# Altium PCB Sayma_AMC_RFSoC.PcbDoc (part 4 of 11) (continued)
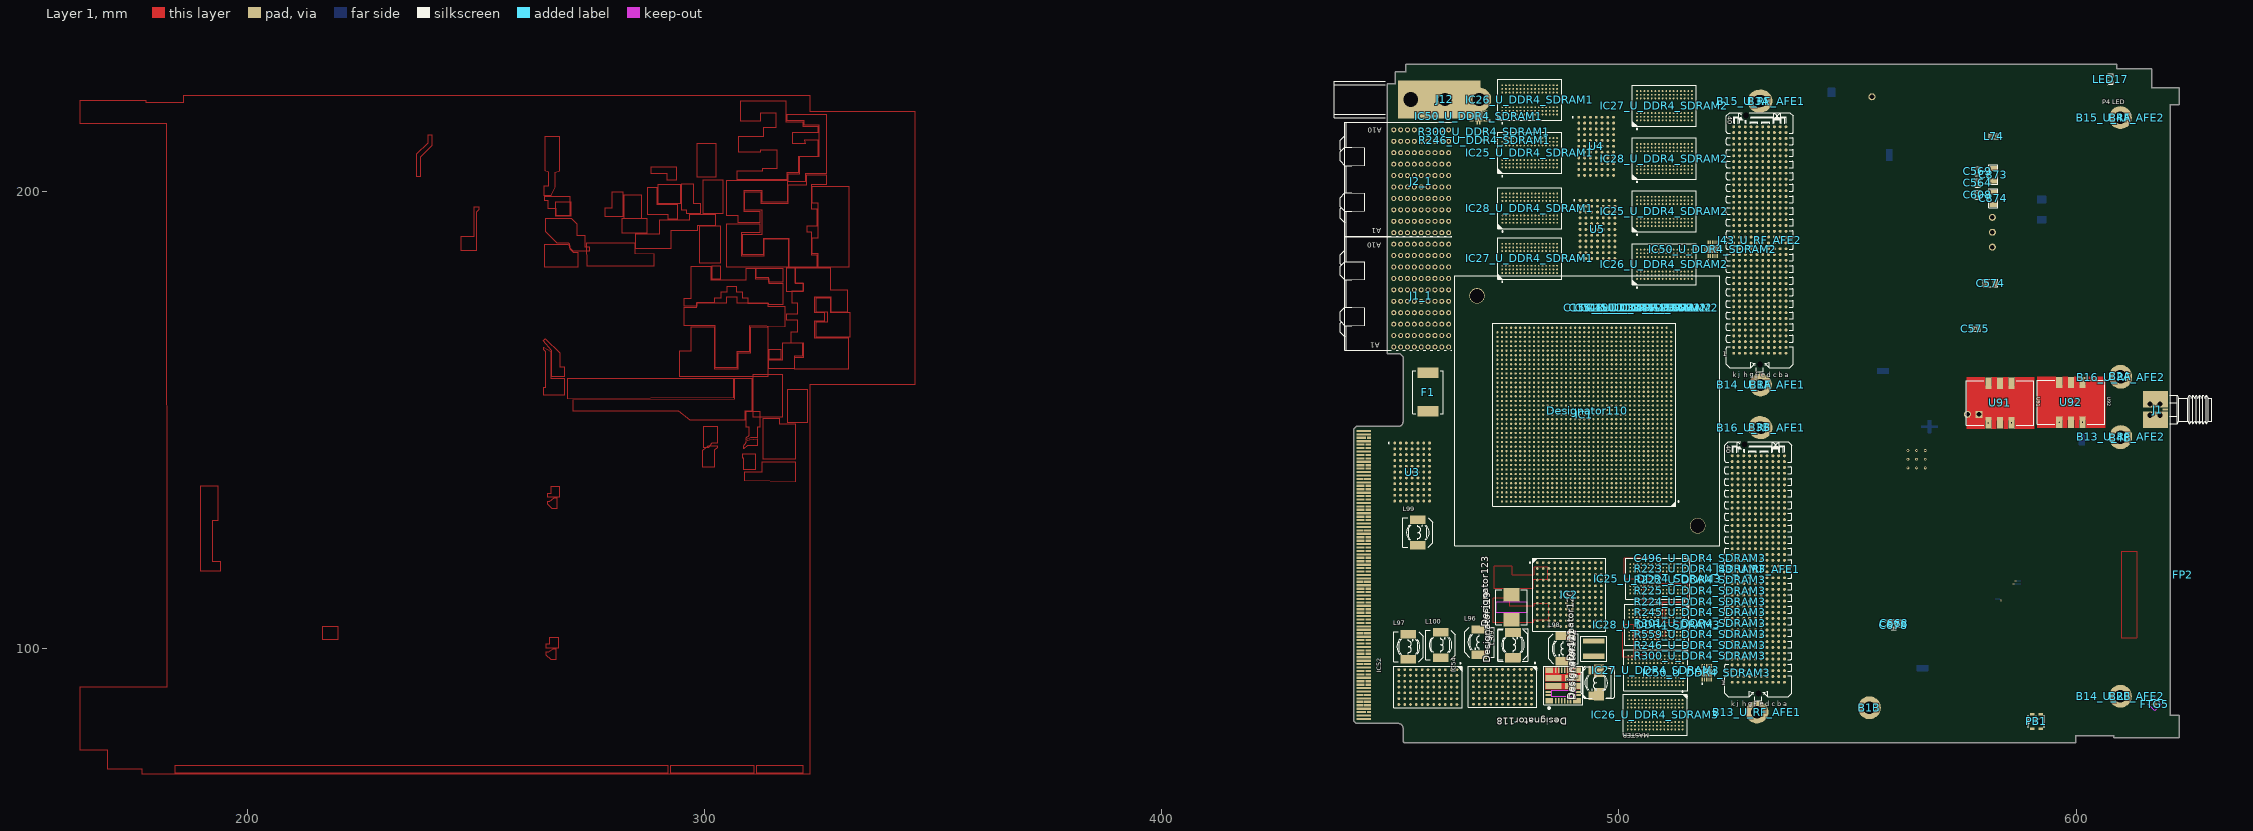
[diagram p0: Layer 1 view]
## Nets (pads, with @x,y where several pads share a name; then routed paths per layer and width w, separated by ;. In a path a pad name is that pad's centre, name@x,y a point inside that pad or via, vN(x,y) a via of type N, cw(c..) or ccw(c..) an arc to the next point about the centre after c; other vN are vias at no path point) (continued)
DDR4_A4: IC1.AW31 IC25_U_DDR4_SDRAM1.N3 IC26_U_DDR4_SDRAM1.N3 IC27_U_DDR4_SDRAM1.N3 IC28_U_DDR4_SDRAM1.N3 R226_U_DDR4_SDRAM1.2
DDR4_A5: IC1.AU28 IC25_U_DDR4_SDRAM1.P8 IC26_U_DDR4_SDRAM1.P8 IC27_U_DDR4_SDRAM1.P8 IC28_U_DDR4_SDRAM1.P8 R227_U_DDR4_SDRAM1.2
DDR4_A6: IC1.AL29 IC25_U_DDR4_SDRAM1.P2 IC26_U_DDR4_SDRAM1.P2 IC27_U_DDR4_SDRAM1.P2 IC28_U_DDR4_SDRAM1.P2 R228_U_DDR4_SDRAM1.2
DDR4_A7: IC1.AM30 IC25_U_DDR4_SDRAM1.R8 IC26_U_DDR4_SDRAM1.R8 IC27_U_DDR4_SDRAM1.R8 IC28_U_DDR4_SDRAM1.R8 R229_U_DDR4_SDRAM1.2
DDR4_A8: IC1.AM29 IC25_U_DDR4_SDRAM1.R2 IC26_U_DDR4_SDRAM1.R2 IC27_U_DDR4_SDRAM1.R2 IC28_U_DDR4_SDRAM1.R2 R230_U_DDR4_SDRAM1.2
DDR4_A9: IC1.AP29 IC25_U_DDR4_SDRAM1.R7 IC26_U_DDR4_SDRAM1.R7 IC27_U_DDR4_SDRAM1.R7 IC28_U_DDR4_SDRAM1.R7 R231_U_DDR4_SDRAM1.2
DDR4_A10: IC1.AT31 IC25_U_DDR4_SDRAM1.M3 IC26_U_DDR4_SDRAM1.M3 IC27_U_DDR4_SDRAM1.M3 IC28_U_DDR4_SDRAM1.M3 R232_U_DDR4_SDRAM1.2
DDR4_A11: IC1.AT32 IC25_U_DDR4_SDRAM1.T2 IC26_U_DDR4_SDRAM1.T2 IC27_U_DDR4_SDRAM1.T2 IC28_U_DDR4_SDRAM1.T2 R233_U_DDR4_SDRAM1.2
DDR4_A12: IC1.AT30 IC25_U_DDR4_SDRAM1.M7 IC26_U_DDR4_SDRAM1.M7 IC27_U_DDR4_SDRAM1.M7 IC28_U_DDR4_SDRAM1.M7 R234_U_DDR4_SDRAM1.2
DDR4_A13: IC1.L17
DDR4_A13_U_DDR4_SDRAM1: IC25_U_DDR4_SDRAM1.T8 IC26_U_DDR4_SDRAM1.T8 IC27_U_DDR4_SDRAM1.T8 IC28_U_DDR4_SDRAM1.T8 R235_U_DDR4_SDRAM1.2
DDR4_A13_U_DDR4_SDRAM2: IC25_U_DDR4_SDRAM2.T8 IC26_U_DDR4_SDRAM2.T8 IC27_U_DDR4_SDRAM2.T8 IC28_U_DDR4_SDRAM2.T8 R235_U_DDR4_SDRAM2.2
DDR4_A13_U_DDR4_SDRAM3: IC25_U_DDR4_SDRAM3.T8 IC26_U_DDR4_SDRAM3.T8 IC27_U_DDR4_SDRAM3.T8 IC28_U_DDR4_SDRAM3.T8 R235_U_DDR4_SDRAM3.2
DDR4_A14_WE_B: IC1.B17 IC25_U_DDR4_SDRAM3.L2 IC26_U_DDR4_SDRAM3.L2 IC27_U_DDR4_SDRAM3.L2 IC28_U_DDR4_SDRAM3.L2 R236_U_DDR4_SDRAM3.2
DDR4_A15_CAS_B: IC1.D15 IC25_U_DDR4_SDRAM3.M8 IC26_U_DDR4_SDRAM3.M8 IC27_U_DDR4_SDRAM3.M8 IC28_U_DDR4_SDRAM3.M8 R237_U_DDR4_SDRAM3.2
DDR4_A16_RAS_B: IC1.C18 IC25_U_DDR4_SDRAM3.L8 IC26_U_DDR4_SDRAM3.L8 IC27_U_DDR4_SDRAM3.L8 IC28_U_DDR4_SDRAM3.L8 R238_U_DDR4_SDRAM3.2
DDR4_ACT_B: IC1.A19 IC25_U_DDR4_SDRAM3.L3 IC26_U_DDR4_SDRAM3.L3 IC27_U_DDR4_SDRAM3.L3 IC28_U_DDR4_SDRAM3.L3 R243_U_DDR4_SDRAM3.2
DDR4_ALERT_B: IC1.B18 IC25_U_DDR4_SDRAM3.P9 IC26_U_DDR4_SDRAM3.P9 IC27_U_DDR4_SDRAM3.P9 IC28_U_DDR4_SDRAM3.P9
DDR4_BA0: IC1.K18 IC25_U_DDR4_SDRAM3.N2 IC26_U_DDR4_SDRAM3.N2 IC27_U_DDR4_SDRAM3.N2 IC28_U_DDR4_SDRAM3.N2 R239_U_DDR4_SDRAM3.2
DDR4_BA1: IC1.K19 IC25_U_DDR4_SDRAM3.N8 IC26_U_DDR4_SDRAM3.N8 IC27_U_DDR4_SDRAM3.N8 IC28_U_DDR4_SDRAM3.N8 R240_U_DDR4_SDRAM3.2
DDR4_BG0: IC1.C16 IC25_U_DDR4_SDRAM3.M2 IC26_U_DDR4_SDRAM3.M2 IC27_U_DDR4_SDRAM3.M2 IC28_U_DDR4_SDRAM3.M2 R241_U_DDR4_SDRAM3.2
DDR4_CK_C: IC1.F17 IC25_U_DDR4_SDRAM3.K8 IC26_U_DDR4_SDRAM3.K8 IC27_U_DDR4_SDRAM3.K8 IC28_U_DDR4_SDRAM3.K8
DDR4_CK_T: IC1.G17 IC25_U_DDR4_SDRAM3.K7 IC26_U_DDR4_SDRAM3.K7 IC27_U_DDR4_SDRAM3.K7 IC28_U_DDR4_SDRAM3.K7
DDR4_CKE: IC1.A16 IC25_U_DDR4_SDRAM3.K2 IC26_U_DDR4_SDRAM3.K2 IC27_U_DDR4_SDRAM3.K2 IC28_U_DDR4_SDRAM3.K2 R242_U_DDR4_SDRAM3.2
DDR4_CS_B: IC1.D16 IC25_U_DDR4_SDRAM3.L7 IC26_U_DDR4_SDRAM3.L7 IC27_U_DDR4_SDRAM3.L7 IC28_U_DDR4_SDRAM3.L7 R244_U_DDR4_SDRAM3.2
DDR4_DM0: IC1.AP8 IC25_U_DDR4_SDRAM2.E7
DDR4_DM1: IC1.AK13 IC25_U_DDR4_SDRAM2.E2
DDR4_DM2: IC1.AM12 IC26_U_DDR4_SDRAM2.E7
DDR4_DM3: IC1.AV10 IC26_U_DDR4_SDRAM2.E2
DDR4_DM4: IC1.AJ18 IC27_U_DDR4_SDRAM2.E7
DDR4_DM5: IC1.AM20 IC27_U_DDR4_SDRAM2.E2
DDR4_DM6: IC1.AR17 IC28_U_DDR4_SDRAM2.E7
DDR4_DM7: IC1.AW19 IC28_U_DDR4_SDRAM2.E2
DDR4_DM8: IC1.AR38
DDR4_DQ0: IC1.AW25 IC25_U_DDR4_SDRAM1.G2
DDR4_DQ1: IC1.AW24 IC25_U_DDR4_SDRAM1.F7
DDR4_DQ2: IC1.AV25 IC25_U_DDR4_SDRAM1.H3
DDR4_DQ3: IC1.AW23 IC25_U_DDR4_SDRAM1.H7
DDR4_DQ4: IC1.AV23 IC25_U_DDR4_SDRAM1.H2
DDR4_DQ5: IC1.AV22 IC25_U_DDR4_SDRAM1.H8
DDR4_DQ6: IC1.AR24 IC25_U_DDR4_SDRAM1.J3
DDR4_DQ7: IC1.AR23 IC25_U_DDR4_SDRAM1.J7
DDR4_DQ8: IC1.AT25 IC25_U_DDR4_SDRAM1.A3
DDR4_DQ9: IC1.AP26 IC25_U_DDR4_SDRAM1.B8
DDR4_DQ10: IC1.AU25 IC25_U_DDR4_SDRAM1.C3
DDR4_DQ11: IC1.AR27 IC25_U_DDR4_SDRAM1.C7
DDR4_DQ12: IC1.AU27 IC25_U_DDR4_SDRAM1.C2
DDR4_DQ13: IC1.AV26 IC25_U_DDR4_SDRAM1.C8
DDR4_DQ14: IC1.AV27 IC25_U_DDR4_SDRAM1.D3
DDR4_DQ15: IC1.AW26 IC25_U_DDR4_SDRAM1.D7
DDR4_DQ16: IC1.AP25 IC26_U_DDR4_SDRAM1.G2
DDR4_DQ17: IC1.AP24 IC26_U_DDR4_SDRAM1.F7
DDR4_DQ18: IC1.AP23 IC26_U_DDR4_SDRAM1.H3
DDR4_DQ19: IC1.AN25 IC26_U_DDR4_SDRAM1.H7
DDR4_DQ20: IC1.AM25 IC26_U_DDR4_SDRAM1.H2
DDR4_DQ21: IC1.AK24 IC26_U_DDR4_SDRAM1.H8
DDR4_DQ22: IC1.AN23 IC26_U_DDR4_SDRAM1.J3
DDR4_DQ23: IC1.AK23 IC26_U_DDR4_SDRAM1.J7
DDR4_DQ24: IC1.AK26 IC26_U_DDR4_SDRAM1.A3
DDR4_DQ25: IC1.AL25 IC26_U_DDR4_SDRAM1.B8
DDR4_DQ26: IC1.AK28 IC26_U_DDR4_SDRAM1.C3
DDR4_DQ27: IC1.AK27 IC26_U_DDR4_SDRAM1.C7
DDR4_DQ28: IC1.AN27 IC26_U_DDR4_SDRAM1.C2
DDR4_DQ29: IC1.AN26 IC26_U_DDR4_SDRAM1.C8
DDR4_DQ30: IC1.AN28 IC26_U_DDR4_SDRAM1.D3
DDR4_DQ31: IC1.AM28 IC26_U_DDR4_SDRAM1.D7
DDR4_DQ32: IC1.AU39 IC27_U_DDR4_SDRAM1.G2
DDR4_DQ33: IC1.AU38 IC27_U_DDR4_SDRAM1.F7
DDR4_DQ34: IC1.AU37 IC27_U_DDR4_SDRAM1.H3
DDR4_DQ35: IC1.AU35 IC27_U_DDR4_SDRAM1.H7
DDR4_DQ36: IC1.AV38 IC27_U_DDR4_SDRAM1.H2
DDR4_DQ37: IC1.AW36 IC27_U_DDR4_SDRAM1.H8
DDR4_DQ38: IC1.AV35 IC27_U_DDR4_SDRAM1.J3
DDR4_DQ39: IC1.AW35 IC27_U_DDR4_SDRAM1.J7
DDR4_DQ40: IC1.AU33 IC27_U_DDR4_SDRAM1.A3
DDR4_DQ41: IC1.AV33 IC27_U_DDR4_SDRAM1.B8
DDR4_DQ42: IC1.AW34 IC27_U_DDR4_SDRAM1.C3
DDR4_DQ43: IC1.AW33 IC27_U_DDR4_SDRAM1.C7
DDR4_DQ44: IC1.AR34 IC27_U_DDR4_SDRAM1.C2
DDR4_DQ45: IC1.AR33 IC27_U_DDR4_SDRAM1.C8
DDR4_DQ46: IC1.AP33 IC27_U_DDR4_SDRAM1.D3
DDR4_DQ47: IC1.AP34 IC27_U_DDR4_SDRAM1.D7
DDR4_DQ48: IC1.AL39 IC28_U_DDR4_SDRAM1.G2
DDR4_DQ49: IC1.AM38 IC28_U_DDR4_SDRAM1.F7
DDR4_DQ50: IC1.AM39 IC28_U_DDR4_SDRAM1.H3
DDR4_DQ51: IC1.AN38 IC28_U_DDR4_SDRAM1.H7
DDR4_DQ52: IC1.AM35 IC28_U_DDR4_SDRAM1.H2
DDR4_DQ53: IC1.AM34 IC28_U_DDR4_SDRAM1.H8
DDR4_DQ54: IC1.AN36 IC28_U_DDR4_SDRAM1.J3
DDR4_DQ55: IC1.AN35 IC28_U_DDR4_SDRAM1.J7
DDR4_DQ56: IC1.AK32 IC28_U_DDR4_SDRAM1.A3
DDR4_DQ57: IC1.AK31 IC28_U_DDR4_SDRAM1.B8
DDR4_DQ58: IC1.AJ31 IC28_U_DDR4_SDRAM1.C3
DDR4_DQ59: IC1.AJ30 IC28_U_DDR4_SDRAM1.C7
DDR4_DQ60: IC1.AH30 IC28_U_DDR4_SDRAM1.C2
DDR4_DQ61: IC1.AG32 IC28_U_DDR4_SDRAM1.C8
DDR4_DQ62: IC1.AF32 IC28_U_DDR4_SDRAM1.D3
DDR4_DQ63: IC1.AG30 IC28_U_DDR4_SDRAM1.D7
DDR4_DQS0_C: IC1.E12 IC25_U_DDR4_SDRAM3.F3
DDR4_DQS0_T: IC1.E13 IC25_U_DDR4_SDRAM3.G3
DDR4_DQS1_C: IC1.B15 IC25_U_DDR4_SDRAM3.A7
DDR4_DQS1_T: IC1.C15 IC25_U_DDR4_SDRAM3.B7
DDR4_DQS2_C: IC1.J13 IC26_U_DDR4_SDRAM3.F3
DDR4_DQS2_T: IC1.J14 IC26_U_DDR4_SDRAM3.G3
DDR4_DQS3_C: IC1.G8 IC26_U_DDR4_SDRAM3.A7
DDR4_DQS3_T: IC1.H8 IC26_U_DDR4_SDRAM3.B7
DDR4_DQS4_C: IC1.A22 IC27_U_DDR4_SDRAM3.F3
DDR4_DQS4_T: IC1.B22 IC27_U_DDR4_SDRAM3.G3
DDR4_DQS5_C: IC1.D24 IC27_U_DDR4_SDRAM3.A7
DDR4_DQS5_T: IC1.D23 IC27_U_DDR4_SDRAM3.B7
DDR4_DQS6_C: IC1.H20 IC28_U_DDR4_SDRAM3.F3
DDR4_DQS6_T: IC1.J20 IC28_U_DDR4_SDRAM3.G3
DDR4_DQS7_C: IC1.K22 IC28_U_DDR4_SDRAM3.A7
DDR4_DQS7_T: IC1.K21 IC28_U_DDR4_SDRAM3.B7
DDR4_DQS8_C: IC1.AR37
DDR4_DQS8_T: IC1.AT37
DDR4_ODT: IC1.B19 IC25_U_DDR4_SDRAM3.K3 IC26_U_DDR4_SDRAM3.K3 IC27_U_DDR4_SDRAM3.K3 IC28_U_DDR4_SDRAM3.K3 R245_U_DDR4_SDRAM3.2
DDR4_PAR: IC1.D19 IC25_U_DDR4_SDRAM3.T3 IC26_U_DDR4_SDRAM3.T3 IC27_U_DDR4_SDRAM3.T3 IC28_U_DDR4_SDRAM3.T3 R246_U_DDR4_SDRAM3.2
DDR4_RESET_B: IC1.A17 IC25_U_DDR4_SDRAM3.P1 IC26_U_DDR4_SDRAM3.P1 IC27_U_DDR4_SDRAM3.P1 IC28_U_DDR4_SDRAM3.P1
DDR4_TEN: 
DDR4_TEN_U_DDR4_SDRAM1: IC25_U_DDR4_SDRAM1.N9 IC26_U_DDR4_SDRAM1.N9 IC27_U_DDR4_SDRAM1.N9 IC28_U_DDR4_SDRAM1.N9
DDR4_TEN_U_DDR4_SDRAM2: IC25_U_DDR4_SDRAM2.N9 IC26_U_DDR4_SDRAM2.N9 IC27_U_DDR4_SDRAM2.N9 IC28_U_DDR4_SDRAM2.N9
DDR4_TEN_U_DDR4_SDRAM3: IC25_U_DDR4_SDRAM3.N9 IC26_U_DDR4_SDRAM3.N9 IC27_U_DDR4_SDRAM3.N9 IC28_U_DDR4_SDRAM3.N9
DDR4_VREFA_U_DDR4_SDRAM1: C158_U_DDR4_SDRAM1.1 IC25_U_DDR4_SDRAM1.M1
DDR4_VREFA_U_DDR4_SDRAM2: C158_U_DDR4_SDRAM2.1 IC25_U_DDR4_SDRAM2.M1
DDR4_VREFA_U_DDR4_SDRAM3: C158_U_DDR4_SDRAM3.1 IC25_U_DDR4_SDRAM3.M1
DDR4_VREFB_U_DDR4_SDRAM1: C157_U_DDR4_SDRAM1.1 IC26_U_DDR4_SDRAM1.M1
DDR4_VREFB_U_DDR4_SDRAM2: C157_U_DDR4_SDRAM2.1 IC26_U_DDR4_SDRAM2.M1
DDR4_VREFB_U_DDR4_SDRAM3: C157_U_DDR4_SDRAM3.1 IC26_U_DDR4_SDRAM3.M1
DDR4_VREFC_U_DDR4_SDRAM1: C159_U_DDR4_SDRAM1.1 IC27_U_DDR4_SDRAM1.M1
DDR4_VREFC_U_DDR4_SDRAM2: C159_U_DDR4_SDRAM2.1 IC27_U_DDR4_SDRAM2.M1
DDR4_VREFC_U_DDR4_SDRAM3: C159_U_DDR4_SDRAM3.1 IC27_U_DDR4_SDRAM3.M1
DDR4_VREFD_U_DDR4_SDRAM1: C160_U_DDR4_SDRAM1.1 IC28_U_DDR4_SDRAM1.M1
DDR4_VREFD_U_DDR4_SDRAM2: C160_U_DDR4_SDRAM2.1 IC28_U_DDR4_SDRAM2.M1
DDR4_VREFD_U_DDR4_SDRAM3: C160_U_DDR4_SDRAM3.1 IC28_U_DDR4_SDRAM3.M1
DDR4_ZQA_U_DDR4_SDRAM1: IC25_U_DDR4_SDRAM1.F9
DDR4_ZQA_U_DDR4_SDRAM2: IC25_U_DDR4_SDRAM2.F9
DDR4_ZQA_U_DDR4_SDRAM3: IC25_U_DDR4_SDRAM3.F9
DDR4_ZQB_U_DDR4_SDRAM1: IC26_U_DDR4_SDRAM1.F9
DDR4_ZQB_U_DDR4_SDRAM2: IC26_U_DDR4_SDRAM2.F9
DDR4_ZQB_U_DDR4_SDRAM3: IC26_U_DDR4_SDRAM3.F9
DDR4_ZQC_U_DDR4_SDRAM1: IC27_U_DDR4_SDRAM1.F9
DDR4_ZQC_U_DDR4_SDRAM2: IC27_U_DDR4_SDRAM2.F9
DDR4_ZQC_U_DDR4_SDRAM3: IC27_U_DDR4_SDRAM3.F9
DDR4_ZQD_U_DDR4_SDRAM1: IC28_U_DDR4_SDRAM1.F9
DDR4_ZQD_U_DDR4_SDRAM2: IC28_U_DDR4_SDRAM2.F9
DDR4_ZQD_U_DDR4_SDRAM3: IC28_U_DDR4_SDRAM3.F9
EN_FLASH_UPDATE: 
FMC1_GBTCLK0_M2C_N: 
FMC1_GBTCLK0_M2C_P: 
FMC1_GBTCLK1_M2C_N: 
FMC1_GBTCLK1_M2C_P: C666.1
FMC2_GBTCLK0_M2C_N: 
FMC2_GBTCLK0_M2C_P: 
FMC2_GBTCLK1_M2C_N: 
FMC2_GBTCLK1_M2C_P: 
FMC2_GBTCLKC0_M2C_N: 
FMC2_GBTCLKC0_M2C_P: 
FPGA_ADC_SYSREF_N: 
FPGA_ADC_SYSREF_P: 
FPGA_CFG_CCLK: 
FPGA_CFG_DIN: 
FPGA_CFG_DONE: 
FPGA_CFG_INIT_B: 
FPGA_CFG_PROGRAM_B: 
FPGA_CLK1_N: IC1.J18
FPGA_CLK1_P: IC1.J19
FPGA_CLK2_N: IC1.AM17
FPGA_CLK2_P: IC1.AL17
FPGA_DAC_SYSREF_N: 
FPGA_DAC_SYSREF_P: 
GTP0RX_N: IC1.E39
GTP0RX_P: IC1.E38
GTP0TX_N: IC1.D32
GTP0TX_P: IC1.D31
GTP1RX_N: IC1.D37
GTP1RX_P: IC1.D36
GTP1TX_N: IC1.C34
GTP1TX_P: IC1.C33
GTP2RX_N: IC1.C39
GTP2RX_P: IC1.C38
GTP2TX_N: IC1.B32
GTP2TX_P: IC1.B31
GTP3RX_N: IC1.B37
GTP3RX_P: IC1.B36
GTP3TX_N: IC1.A34
GTP3TX_P: IC1.A33
GTP4RX_N: IC1.F37
GTP4RX_P: IC1.F36
GTP4TX_N: IC1.E34
GTP4TX_P: IC1.E33
GTP5RX_N: IC1.G39
GTP5RX_P: IC1.G38
GTP5TX_N: IC1.F32
GTP5TX_P: IC1.F31
GTP6RX_N: IC1.H37
GTP6RX_P: IC1.H36
GTP6TX_N: IC1.G34
GTP6TX_P: IC1.G33
GTP7RX_N: IC1.J39
GTP7RX_P: IC1.J38
GTP7TX_N: IC1.H32
GTP7TX_P: IC1.H31
GTP8RX_N: IC1.N39
GTP8RX_P: IC1.N38
GTP8TX_N: IC1.P36
GTP8TX_P: IC1.P35
GTP9RX_N: IC1.M37
GTP9RX_P: IC1.M36
GTP9TX_N: IC1.N34
GTP9TX_P: IC1.N33
GTP10RX_N: IC1.L39
GTP10RX_P: IC1.L38
GTP10TX_N: IC1.L34
GTP10TX_P: IC1.L33
GTP11RX_N: IC1.K37
GTP11RX_P: IC1.K36
GTP11TX_N: IC1.J34
GTP11TX_P: IC1.J33
GTP12RX_N: IC1.R39
GTP12RX_P: IC1.R38
GTP12TX_N: IC1.R34
GTP12TX_P: IC1.R33
GTP13RX_N: IC1.U39
GTP13RX_P: IC1.U38
GTP13TX_N: IC1.T36
GTP13TX_P: IC1.T35
GTP14RX_N: IC1.W39
GTP14RX_P: IC1.W38
GTP14TX_N: IC1.V36
GTP14TX_P: IC1.V35
GTP15RX_N: IC1.AA39
GTP15RX_P: IC1.AA38
GTP15TX_N: IC1.Y36
GTP15TX_P: IC1.Y35
GTP_CLK1_IN_N: 
GTP_CLK1_IN_P: 
GTP_CLK2_IN_N: 
GTP_CLK2_IN_P: 
GTP_CLKC1_IN_N: 
GTP_CLKC1_IN_P: 
GTP_CLKC2_IN_N: 
GTP_CLKC2_IN_P: C666.2
GTX_CLK_156.25_N: C737.1
GTX_CLK_156.25_P: C738.1
GTX_CLK_156.25C_N: C737.2
GTX_CLK_156.25C_P: C738.2
I2C_SCL_U_RF_AFE1: J43_U_RF_AFE1.k35
I2C_SCL_U_RF_AFE2: J43_U_RF_AFE2.k35
I2C_SDA_U_RF_AFE1: J43_U_RF_AFE1.k34
I2C_SDA_U_RF_AFE2: J43_U_RF_AFE2.k34
INA226_PMBUS_ALERT: U71.3 U84.3 U85.3
INA226_PMBUS_SCL: U71.2 U71.5 U84.1 U84.5 U85.1 U85.5
INA226_PMBUS_SDA: U71.1 U71.4 U84.2 U84.4 U85.4
LMK00304_VDD: C824.1 C952.1 C984.1 L73.2 U98.2 U98.5 U98.9 U98.10 U98.20 U98.23 U98.28 U98.30
LMK00804_VDD: C822.1 C823.1 C986.1 L70.2 U106.2 U106.3 U106.4 U106.7 U106.11 U106.15
  other v2: 586.31,114.165
LMK04208_CPO1: R649.2 U90.34
LMK04208_CPO2: C772.1 C773.1 U90.42
LO_IN_U_RF_AFE1_N: J43_U_RF_AFE1.c25
LO_IN_U_RF_AFE1_P: J43_U_RF_AFE1.c26
LO_IN_U_RF_AFE2_N: J43_U_RF_AFE2.c25
LO_IN_U_RF_AFE2_P: J43_U_RF_AFE2.c26
LVDS0_U_RF_AFE1_N: J43_U_RF_AFE1.h35
LVDS0_U_RF_AFE1_P: J43_U_RF_AFE1.h34
LVDS0_U_RF_AFE2_N: J43_U_RF_AFE2.h35
LVDS0_U_RF_AFE2_P: J43_U_RF_AFE2.h34
LVDS1_U_RF_AFE1_N: J43_U_RF_AFE1.g35
LVDS1_U_RF_AFE1_P: J43_U_RF_AFE1.g34
LVDS1_U_RF_AFE2_N: J43_U_RF_AFE2.g35
LVDS1_U_RF_AFE2_P: J43_U_RF_AFE2.g34
LVDS2_U_RF_AFE1_N: J43_U_RF_AFE1.f35
LVDS2_U_RF_AFE1_P: J43_U_RF_AFE1.f34
LVDS2_U_RF_AFE2_N: J43_U_RF_AFE2.f35
LVDS2_U_RF_AFE2_P: J43_U_RF_AFE2.f34
LVDS3_U_RF_AFE1_N: J43_U_RF_AFE1.e35
LVDS3_U_RF_AFE1_P: J43_U_RF_AFE1.e34
LVDS3_U_RF_AFE2_N: J43_U_RF_AFE2.e35
LVDS3_U_RF_AFE2_P: J43_U_RF_AFE2.e34
LVDS4_U_RF_AFE1_N: J43_U_RF_AFE1.d35
LVDS4_U_RF_AFE1_P: J43_U_RF_AFE1.d34
LVDS4_U_RF_AFE2_N: J43_U_RF_AFE2.d35
LVDS4_U_RF_AFE2_P: J43_U_RF_AFE2.d34
LVDS5_U_RF_AFE1_N: J43_U_RF_AFE1.c35
LVDS5_U_RF_AFE1_P: J43_U_RF_AFE1.c34
LVDS5_U_RF_AFE2_N: J43_U_RF_AFE2.c35
LVDS5_U_RF_AFE2_P: J43_U_RF_AFE2.c34
LVDS6_U_RF_AFE1_N: J43_U_RF_AFE1.b34
LVDS6_U_RF_AFE1_P: J43_U_RF_AFE1.b33
LVDS6_U_RF_AFE2_N: J43_U_RF_AFE2.b34
LVDS6_U_RF_AFE2_P: J43_U_RF_AFE2.b33
LVDS7_U_RF_AFE1_N: J43_U_RF_AFE1.a34
LVDS7_U_RF_AFE1_P: J43_U_RF_AFE1.a33
LVDS7_U_RF_AFE2_N: J43_U_RF_AFE2.a34
LVDS7_U_RF_AFE2_P: J43_U_RF_AFE2.a33
MEZZ1_IO0_U_RF_AFE1: J43_U_RF_AFE1.a39
MEZZ1_IO0_U_RF_AFE2: J43_U_RF_AFE2.a39
MEZZ1_IO1_U_RF_AFE1: J43_U_RF_AFE1.b39
MEZZ1_IO1_U_RF_AFE2: J43_U_RF_AFE2.b39
MEZZ1_IO2_U_RF_AFE1: J43_U_RF_AFE1.c39
MEZZ1_IO2_U_RF_AFE2: J43_U_RF_AFE2.c39
MEZZ1_IO3_U_RF_AFE1: J43_U_RF_AFE1.d39
MEZZ1_IO3_U_RF_AFE2: J43_U_RF_AFE2.d39
MEZZ1_IO4_U_RF_AFE1: J43_U_RF_AFE1.e39
MEZZ1_IO4_U_RF_AFE2: J43_U_RF_AFE2.e39
MEZZ1_IO5_U_RF_AFE1: J43_U_RF_AFE1.f39
MEZZ1_IO5_U_RF_AFE2: J43_U_RF_AFE2.f39
MEZZ1_IO6_U_RF_AFE1: J43_U_RF_AFE1.g39
MEZZ1_IO6_U_RF_AFE2: J43_U_RF_AFE2.g39
MEZZ1_IO7_U_RF_AFE1: J43_U_RF_AFE1.h39
MEZZ1_IO7_U_RF_AFE2: J43_U_RF_AFE2.h39
MEZZ1_IO8_U_RF_AFE1: J43_U_RF_AFE1.j39
MEZZ1_IO8_U_RF_AFE2: J43_U_RF_AFE2.j39
MEZZ1_IO9_U_RF_AFE1: J43_U_RF_AFE1.k39
MEZZ1_IO9_U_RF_AFE2: J43_U_RF_AFE2.k39
MEZZ1_IO10_U_RF_AFE1: J43_U_RF_AFE1.a38
MEZZ1_IO10_U_RF_AFE2: J43_U_RF_AFE2.a38
MEZZ1_IO11_U_RF_AFE1: J43_U_RF_AFE1.b38
MEZZ1_IO11_U_RF_AFE2: J43_U_RF_AFE2.b38
MEZZ1_IO12_U_RF_AFE1: J43_U_RF_AFE1.c38
MEZZ1_IO12_U_RF_AFE2: J43_U_RF_AFE2.c38
MEZZ1_IO13_U_RF_AFE1: J43_U_RF_AFE1.d38
MEZZ1_IO13_U_RF_AFE2: J43_U_RF_AFE2.d38
MEZZ1_IO14_U_RF_AFE1: J43_U_RF_AFE1.e38
MEZZ1_IO14_U_RF_AFE2: J43_U_RF_AFE2.e38
MEZZ1_IO15_U_RF_AFE1: J43_U_RF_AFE1.f38
MEZZ1_IO15_U_RF_AFE2: J43_U_RF_AFE2.f38
MEZZ2_IO0_U_RF_AFE1: J43_U_RF_AFE1.g38
MEZZ2_IO0_U_RF_AFE2: J43_U_RF_AFE2.g38
MEZZ2_IO1_U_RF_AFE1: J43_U_RF_AFE1.h38
MEZZ2_IO1_U_RF_AFE2: J43_U_RF_AFE2.h38
MEZZ2_IO2_U_RF_AFE1: J43_U_RF_AFE1.j38
MEZZ2_IO2_U_RF_AFE2: J43_U_RF_AFE2.j38
MEZZ2_IO3_U_RF_AFE1: J43_U_RF_AFE1.k38
MEZZ2_IO3_U_RF_AFE2: J43_U_RF_AFE2.k38
MEZZ2_IO4_U_RF_AFE1: J43_U_RF_AFE1.a37
MEZZ2_IO4_U_RF_AFE2: J43_U_RF_AFE2.a37
MEZZ2_IO5_U_RF_AFE1: J43_U_RF_AFE1.b37
MEZZ2_IO5_U_RF_AFE2: J43_U_RF_AFE2.b37
MEZZ2_IO6_U_RF_AFE1: J43_U_RF_AFE1.c37
MEZZ2_IO6_U_RF_AFE2: J43_U_RF_AFE2.c37
MEZZ2_IO7_U_RF_AFE1: J43_U_RF_AFE1.d37
MEZZ2_IO7_U_RF_AFE2: J43_U_RF_AFE2.d37
MEZZ2_IO8_U_RF_AFE1: J43_U_RF_AFE1.e37
MEZZ2_IO8_U_RF_AFE2: J43_U_RF_AFE2.e37
MEZZ2_IO9_U_RF_AFE1: J43_U_RF_AFE1.f37
MEZZ2_IO9_U_RF_AFE2: J43_U_RF_AFE2.f37
MEZZ2_IO10_U_RF_AFE1: J43_U_RF_AFE1.g37
MEZZ2_IO10_U_RF_AFE2: J43_U_RF_AFE2.g37
MEZZ2_IO11_U_RF_AFE1: J43_U_RF_AFE1.h37
MEZZ2_IO11_U_RF_AFE2: J43_U_RF_AFE2.h37
MEZZ2_IO12_U_RF_AFE1: J43_U_RF_AFE1.j37
MEZZ2_IO12_U_RF_AFE2: J43_U_RF_AFE2.j37
MEZZ2_IO13_U_RF_AFE1: J43_U_RF_AFE1.k37
MEZZ2_IO13_U_RF_AFE2: J43_U_RF_AFE2.k37
MEZZ2_IO14_U_RF_AFE1: J43_U_RF_AFE1.a36
MEZZ2_IO14_U_RF_AFE2: J43_U_RF_AFE2.a36
MEZZ2_IO15_U_RF_AFE1: J43_U_RF_AFE1.b36
MEZZ2_IO15_U_RF_AFE2: J43_U_RF_AFE2.b36
MUXOUT_RF1_U_ADC_PLL1: DS34_U_ADC_PLL1.2
MUXOUT_RF1_U_ADC_PLL2: DS34_U_ADC_PLL2.2
MUXOUT_RF3: DS44.2
N6V0A: J43_U_RF_AFE1.f27 J43_U_RF_AFE1.f28 J43_U_RF_AFE2.f27 J43_U_RF_AFE2.f28
N12V0A: J43_U_RF_AFE1.d32 J43_U_RF_AFE1.d33 J43_U_RF_AFE2.d32 J43_U_RF_AFE2.d33
NetC156_U_DDR4_SDRAM1_1: C156_U_DDR4_SDRAM1.1
NetC156_U_DDR4_SDRAM2_1: C156_U_DDR4_SDRAM2.1
NetC156_U_DDR4_SDRAM3_1: C156_U_DDR4_SDRAM3.1
NetC286_U_DDR4_SDRAM1_2: C286_U_DDR4_SDRAM1.2 IC50_U_DDR4_SDRAM1.6
NetC286_U_DDR4_SDRAM2_2: C286_U_DDR4_SDRAM2.2 IC50_U_DDR4_SDRAM2.6
NetC286_U_DDR4_SDRAM3_2: C286_U_DDR4_SDRAM3.2 IC50_U_DDR4_SDRAM3.6
NetC452_1: 
NetC452_2: 
NetC456_1: C456.1 U72.5
NetC497_U_DDR4_SDRAM1_2: IC50_U_DDR4_SDRAM1.1 R300_U_DDR4_SDRAM1.2 R301_U_DDR4_SDRAM1.2
NetC497_U_DDR4_SDRAM2_2: IC50_U_DDR4_SDRAM2.1 R300_U_DDR4_SDRAM2.2 R301_U_DDR4_SDRAM2.2
NetC497_U_DDR4_SDRAM3_2: IC50_U_DDR4_SDRAM3.1 R300_U_DDR4_SDRAM3.2 R301_U_DDR4_SDRAM3.2
NetC498_U_DDR4_SDRAM1_2: IC50_U_DDR4_SDRAM1.5
NetC498_U_DDR4_SDRAM2_2: IC50_U_DDR4_SDRAM2.5
NetC498_U_DDR4_SDRAM3_2: IC50_U_DDR4_SDRAM3.5
NetC572_1: C572.1 R472.1 R473.1 U78.3
NetC572_2: C572.2 R472.2 U84.8 Z42.2
NetC575_1: C575.1 R474.1 R475.1 U101.3
NetC575_2: C575.2 R474.2 U85.8 Z43.2
NetC578_1: C578.1 R478.1 U71.9
NetC578_2: C578.2 R477.1 U71.10
NetC607_1: C607.1 R534.1 U84.9
NetC607_2: C607.2 R533.1 U84.10
NetC609_1: C609.1 R537.1 U85.9
NetC609_2: C609.2 R536.1 U85.10
NetC632_U_ADC_PLL1_2: C632_U_ADC_PLL1.2 C948_U_ADC_PLL1.1 IC1.Y5
NetC632_U_ADC_PLL2_2: C632_U_ADC_PLL2.2 C948_U_ADC_PLL2.1 IC1.AF5
NetC640_U_ADC_PLL1_2: C640_U_ADC_PLL1.2 C949_U_ADC_PLL1.1 IC1.Y4
NetC640_U_ADC_PLL2_2: C640_U_ADC_PLL2.2 C949_U_ADC_PLL2.1 IC1.AF4
NetC646_U_ADC_PLL1_2: C646_U_ADC_PLL1.2 C1018_U_ADC_PLL1.1 IC1.AB5
NetC646_U_ADC_PLL2_2: C646_U_ADC_PLL2.2 C1018_U_ADC_PLL2.1 IC1.AD5
NetC653_U_ADC_PLL1_2: C653_U_ADC_PLL1.2 U1_U_ADC_PLL1.10
NetC653_U_ADC_PLL2_2: C653_U_ADC_PLL2.2 U1_U_ADC_PLL2.10
NetC654_U_ADC_PLL1_2: C654_U_ADC_PLL1.2 U1_U_ADC_PLL1.36
NetC654_U_ADC_PLL2_2: C654_U_ADC_PLL2.2 U1_U_ADC_PLL2.36
NetC655_U_ADC_PLL1_2: C655_U_ADC_PLL1.2 U1_U_ADC_PLL1.38
NetC655_U_ADC_PLL2_2: C655_U_ADC_PLL2.2 U1_U_ADC_PLL2.38
NetC656_U_ADC_PLL1_1: C656_U_ADC_PLL1.1 C657_U_ADC_PLL1.1 R560_U_ADC_PLL1.2 U1_U_ADC_PLL1.12
NetC656_U_ADC_PLL1_2: C656_U_ADC_PLL1.2 R562_U_ADC_PLL1.1
NetC656_U_ADC_PLL2_1: C656_U_ADC_PLL2.1 C657_U_ADC_PLL2.1 R560_U_ADC_PLL2.2 U1_U_ADC_PLL2.12
NetC656_U_ADC_PLL2_2: C656_U_ADC_PLL2.2 R562_U_ADC_PLL2.1
NetC658_U_ADC_PLL1_2: C658_U_ADC_PLL1.2 R8_U_ADC_PLL1.1 U1_U_ADC_PLL1.35
NetC658_U_ADC_PLL2_2: C658_U_ADC_PLL2.2 R8_U_ADC_PLL2.1 U1_U_ADC_PLL2.35
NetC659_U_ADC_PLL1_2: C659_U_ADC_PLL1.2 R8_U_ADC_PLL1.2 R560_U_ADC_PLL1.1
NetC659_U_ADC_PLL2_2: C659_U_ADC_PLL2.2 R8_U_ADC_PLL2.2 R560_U_ADC_PLL2.1
NetC660_U_ADC_PLL1_2: C660_U_ADC_PLL1.2 U1_U_ADC_PLL1.29
NetC660_U_ADC_PLL2_2: C660_U_ADC_PLL2.2 U1_U_ADC_PLL2.29
NetC661_U_ADC_PLL1_2: C661_U_ADC_PLL1.2 U1_U_ADC_PLL1.3
NetC661_U_ADC_PLL2_2: C661_U_ADC_PLL2.2 U1_U_ADC_PLL2.3
NetC662_U_ADC_PLL1_2: C662_U_ADC_PLL1.2 U1_U_ADC_PLL1.27
NetC662_U_ADC_PLL2_2: C662_U_ADC_PLL2.2 U1_U_ADC_PLL2.27
NetC663_U_ADC_PLL1_2: C663_U_ADC_PLL1.2 U1_U_ADC_PLL1.33
NetC663_U_ADC_PLL2_2: C663_U_ADC_PLL2.2 U1_U_ADC_PLL2.33
NetC664_U_ADC_PLL1_1: C664_U_ADC_PLL1.1 R552_U_ADC_PLL1.1 U98.22
NetC664_U_ADC_PLL2_1: C664_U_ADC_PLL2.1 R552_U_ADC_PLL2.1 U98.19
NetC665_U_ADC_PLL1_1: C665_U_ADC_PLL1.1 R552_U_ADC_PLL1.2 U98.21
NetC665_U_ADC_PLL2_1: C665_U_ADC_PLL2.1 R552_U_ADC_PLL2.2 U98.18
NetC666_2: C1024.1 IC1.U5
NetC673_2: C673.2 C1025.1 IC1.U4
NetC675_2: C675.2 C1022.1 IC1.N5
NetC682_2: C682.2 C1023.1 IC1.N4
NetC718_U_ADC_PLL1_2: C718_U_ADC_PLL1.2 C1019_U_ADC_PLL1.1 IC1.AB4
NetC718_U_ADC_PLL2_2: C718_U_ADC_PLL2.2 C1019_U_ADC_PLL2.1 IC1.AD4
NetC724_2: C724.2 U2.10
NetC725_2: C725.2 U2.36
NetC726_2: C726.2 U2.38
NetC727_1: C727.1 C728.1 R582.2 U2.12
NetC727_2: C727.2 R583.1
NetC730_2: C730.2
NetC731_2: C731.2
NetC742_2: C742.2 C1031.1 IC1.R5
NetC743_2: C743.2 C1034.1 IC1.R4
NetC746_2: C746.2
NetC747_2: C747.2
NetC768_2: C768.2 R643.1
NetC772_2: C772.2 R650.1
NetC774_1: C774.1 U90.11
NetC775_1: C775.1 U90.12
NetC777_1: C777.1 C778.1 R648.2 R649.1
NetC777_2: C777.2 R651.1
NetC808_2: C808.2 R581.1 U2.35
NetC809_2: C809.2 R581.2 R582.1
NetC810_2: C810.2 U2.29
NetC811_2: C811.2 U2.3
NetC812_2: C812.2 U2.27
NetC813_2: C813.2 U2.33
NetC814_1: C814.1 R554.1 U98.6
NetC815_1: C815.1 R554.2 U98.7
NetC828_1: C828.1 R667.1 R669.1 U100.3
NetC829_1: C829.1 U100.6
NetC948_U_ADC_PLL1_2: C948_U_ADC_PLL1.2
NetC948_U_ADC_PLL2_2: C948_U_ADC_PLL2.2
NetC949_U_ADC_PLL1_2: C949_U_ADC_PLL1.2
NetC949_U_ADC_PLL2_2: C949_U_ADC_PLL2.2
NetC1018_U_ADC_PLL1_2: C1018_U_ADC_PLL1.2
NetC1018_U_ADC_PLL2_2: C1018_U_ADC_PLL2.2
NetC1019_U_ADC_PLL1_2: C1019_U_ADC_PLL1.2
NetC1019_U_ADC_PLL2_2: C1019_U_ADC_PLL2.2
NetC1022_2: C1022.2
NetC1023_2: C1023.2
NetC1024_2: C1024.2
NetC1025_2: C1025.2
NetDS34_U_ADC_PLL1_1: DS34_U_ADC_PLL1.1 R565_U_ADC_PLL1.1
NetDS34_U_ADC_PLL2_1: DS34_U_ADC_PLL2.1 R565_U_ADC_PLL2.1
NetDS44_1: DS44.1 R545.1
NetDS45_1: DS45.1 R652.1
NetF1_1: F1.1
NetIC1_A29: IC1.A29
NetIC1_AB8: IC1.AB8
NetIC1_AH4: IC1.AH4
NetIC1_AH5: IC1.AH5
NetIC1_AJ4: IC1.AJ4
NetIC1_AJ5: IC1.AJ5
NetIC1_AK4: IC1.AK4
NetIC1_AK5: IC1.AK5
NetIC1_AL4: IC1.AL4
NetIC1_AL5: IC1.AL5
NetIC1_AN33: IC1.AN33
NetIC1_B29: IC1.B29
NetIC1_C29: IC1.C29
NetIC1_D28: IC1.D28
NetIC1_D29: IC1.D29
NetIC1_E27: IC1.E27
NetIC1_E29: IC1.E29
NetIC1_F29: IC1.F29
NetIC1_N29: IC1.N29 IC60.2
NetIC1_P28: IC1.P28
NetIC1_P29: IC1.P29 IC60.4
NetIC1_R27: IC1.R27
NetIC1_R28: IC1.R28 IC60.3
NetIC1_R29: IC1.R29
NetIC1_T26: IC1.T26
NetIC1_T29: IC1.T29
NetIC1_U27: IC1.U27
NetIC1_U28: IC1.U28 IC60.5
NetIC1_U29: IC1.U29
NetIC1_V27: IC1.V27
NetIC1_V28: IC1.V28
NetIC1_V29: IC1.V29
NetIC1_W8: IC1.W8
NetIC1_W26: IC1.W26
NetIC1_W28: IC1.W28
NetIC1_W29: IC1.W29
NetIC1_Y27: IC1.Y27
NetIC1_Y28: IC1.Y28
NetIC1_Y29: IC1.Y29
NetIC3_6: 
NetIC37_7: IC53.10
NetIC37_9: 
NetIC37_15: IC53.3
NetIC40_7: IC53.11
NetIC40_9: 
NetIC40_15: IC53.2
NetIC40_16: 
NetIC41_15: 
NetIC50_U_DDR4_SDRAM1_9: IC50_U_DDR4_SDRAM1.9 R559_U_DDR4_SDRAM1.1
NetIC50_U_DDR4_SDRAM2_9: IC50_U_DDR4_SDRAM2.9 R559_U_DDR4_SDRAM2.1
NetIC50_U_DDR4_SDRAM3_9: IC50_U_DDR4_SDRAM3.9 R559_U_DDR4_SDRAM3.1
NetIC53_1: IC53.1
NetIC53_4: IC53.4
NetIC53_7: IC53.7
NetIC53_9: IC53.9
NetIC53_12: IC53.12
NetIC56_1: 
NetJ2_a3: 
NetJ2_b3: 
NetJ2_e2: 
NetR53_1: R53.1 U90.44
NetR53_2: R53.2
NetR54_1: R54.1 U90.45
NetR54_2: R54.2
NetR55_1: R55.1 U90.46
NetR55_2: R55.2
NetR73_U_ADC_PLL1_1: R73_U_ADC_PLL1.1 U1_U_ADC_PLL1.24
NetR73_U_ADC_PLL1_2: R73_U_ADC_PLL1.2
NetR73_U_ADC_PLL2_1: R73_U_ADC_PLL2.1 U1_U_ADC_PLL2.24
NetR73_U_ADC_PLL2_2: R73_U_ADC_PLL2.2
NetR79_U_ADC_PLL1_1: R79_U_ADC_PLL1.1 U1_U_ADC_PLL1.17
NetR79_U_ADC_PLL1_2: R79_U_ADC_PLL1.2
NetR79_U_ADC_PLL2_1: R79_U_ADC_PLL2.1 U1_U_ADC_PLL2.17
NetR79_U_ADC_PLL2_2: R79_U_ADC_PLL2.2
NetR194_U_ADC_PLL1_1: R194_U_ADC_PLL1.1 U1_U_ADC_PLL1.16
NetR194_U_ADC_PLL1_2: R194_U_ADC_PLL1.2
NetR194_U_ADC_PLL2_1: R194_U_ADC_PLL2.1 U1_U_ADC_PLL2.16
NetR194_U_ADC_PLL2_2: R194_U_ADC_PLL2.2
NetR358_1: R358.1 U2.24
NetR358_2: R358.2
NetR359_1: R359.1 U2.17
NetR359_2: R359.2
NetR360_1: R360.1 U2.16
NetR360_2: R360.2
NetR376_2: R376.2 U50.6
NetR377_2: R377.2 R378.1 U50.19
NetR379_2: R379.2
NetR409_1: R409.1 R410.1 U72.4
NetR409_2: R409.2 U71.8 Z41.2
NetR574_2: 
NetR621_1: R621.1 U106.16
NetR621_2: R621.2 R677_U_ADC_PLL2.1
NetR622_1: R622.1 U106.14
NetR622_2: R622.2 R677_U_ADC_PLL1.1
NetR636_1: R636.1 U106.12
NetR636_2: R636.2 R678.1
NetR677_U_ADC_PLL1_2: R677_U_ADC_PLL1.2 U1_U_ADC_PLL1.5
NetR677_U_ADC_PLL2_2: R677_U_ADC_PLL2.2 U1_U_ADC_PLL2.5
NetR678_2: R678.2 U2.5
NetU1_U_ADC_PLL1_20: U1_U_ADC_PLL1.20
NetU1_U_ADC_PLL2_20: U1_U_ADC_PLL2.20
NetU2_20: U2.20
NetU50_7: U50.7 X7.4
NetU50_8: U50.8 X7.3
NetU50_9: U50.9 X7.1
NetU50_10: U50.10 X7.2
NetU50_16: U50.16
NetU50_18: U50.18
NetU50_23: U50.23
NetU50_24: U50.24
NetU50_30: U50.30
NetU50_31: U50.31
NetU50_34: U50.34
NetU50_35: U50.35
NetU50_41: U50.41
NetU50_42: U50.42
NetU50_44: U50.44
NetU50_45: U50.45
NetU90_27: U90.27
OSCIN_4208_CMOS: C770.2 U90.36
OSCIN_4208_M: C767.1 U90.37